# Altium PCB GSM.PcbDoc (part 1 of 2) (continued)
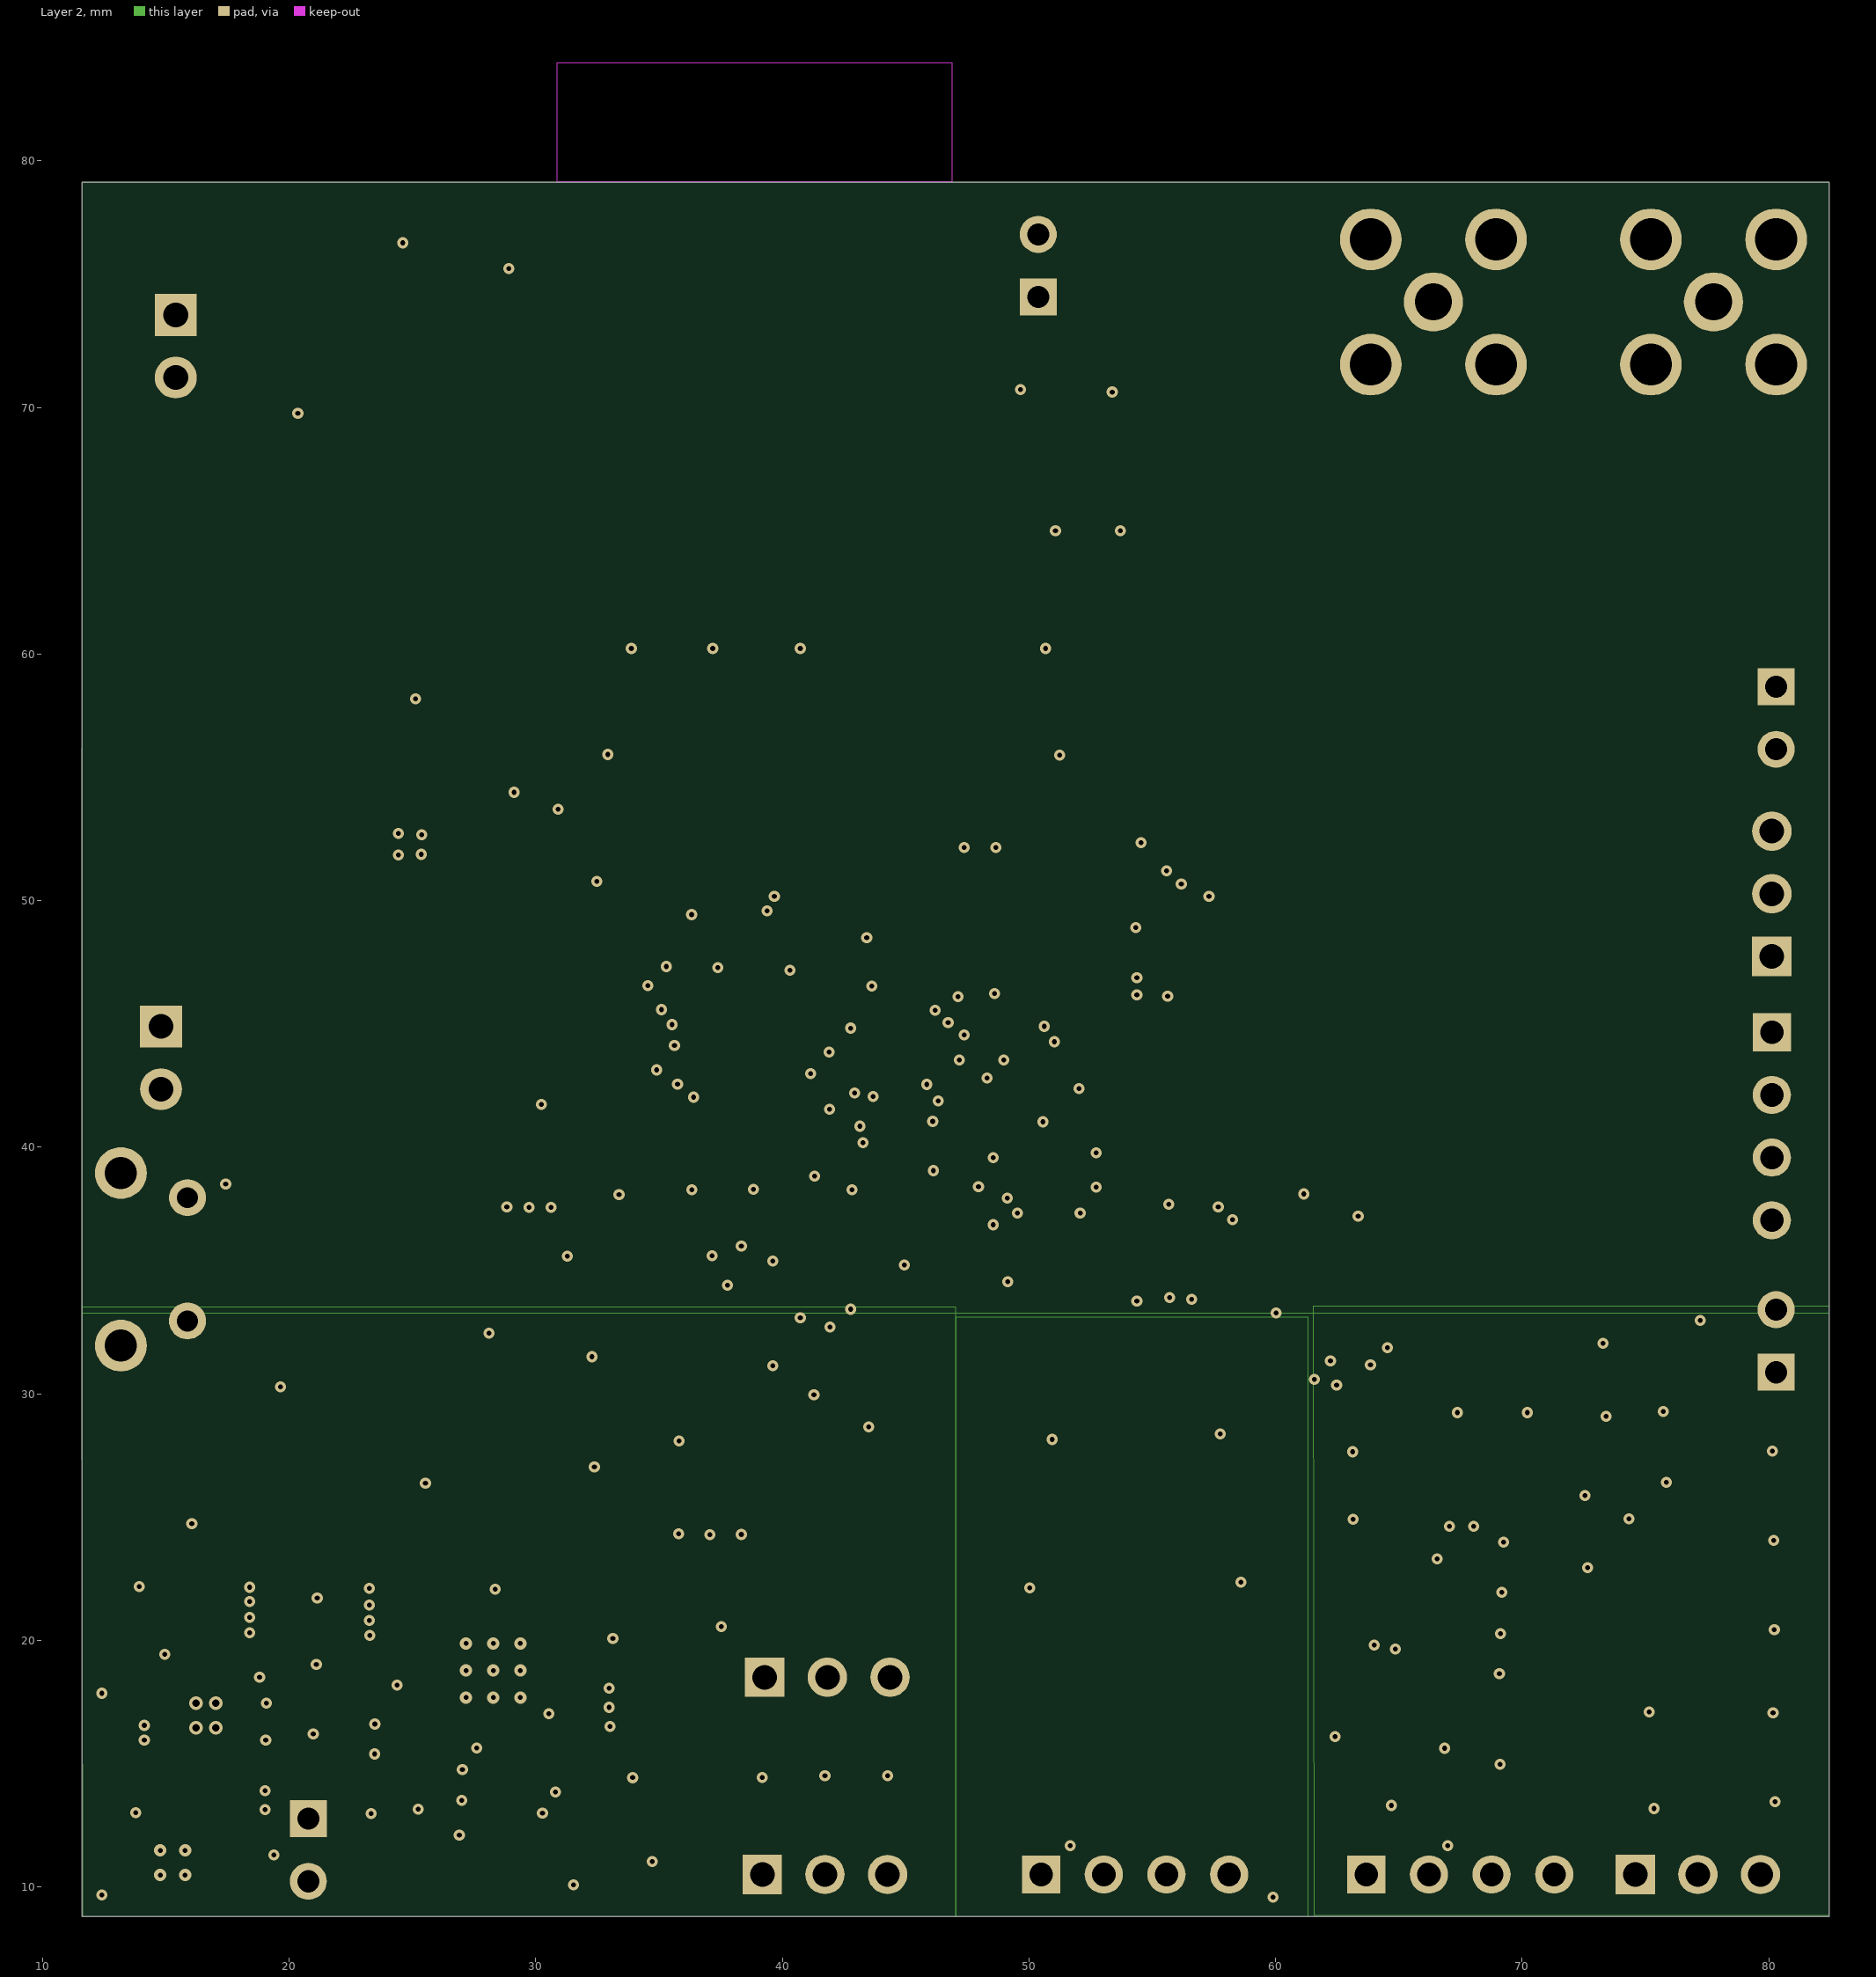
[diagram p3: Layer 2]
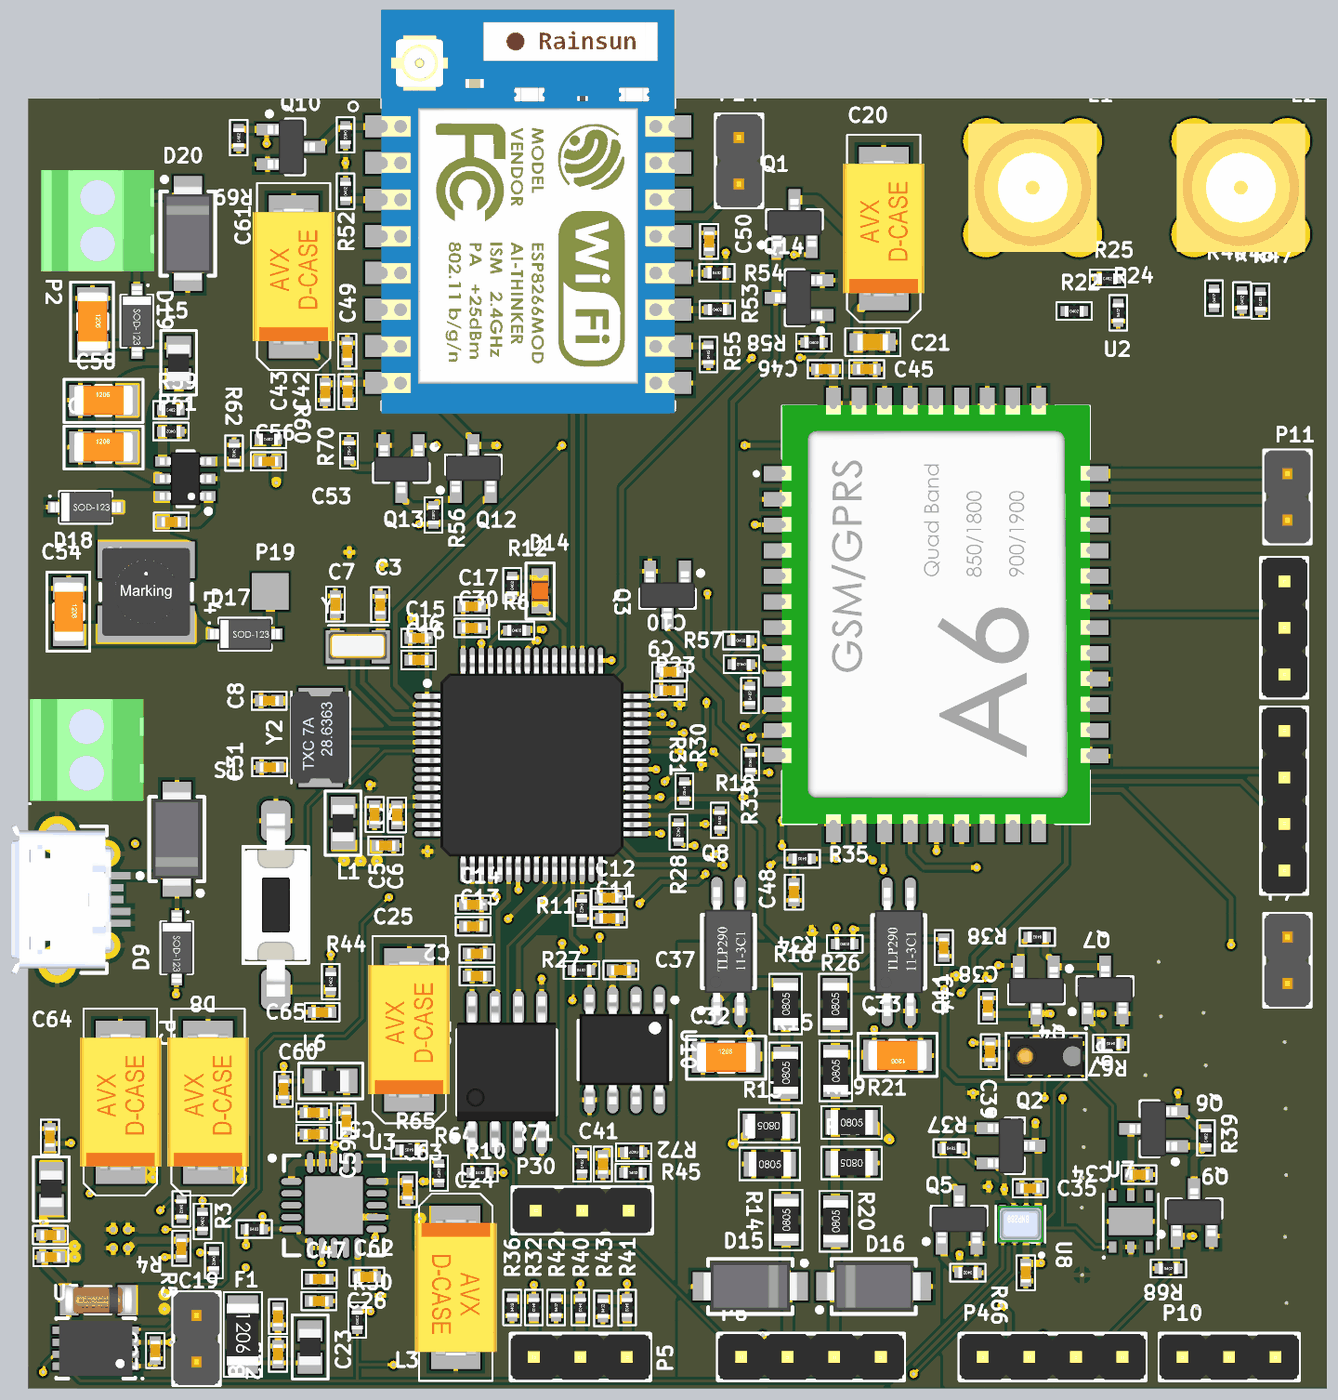
[diagram p5: 3D render of the assembled board from above, using the file's embedded part models]
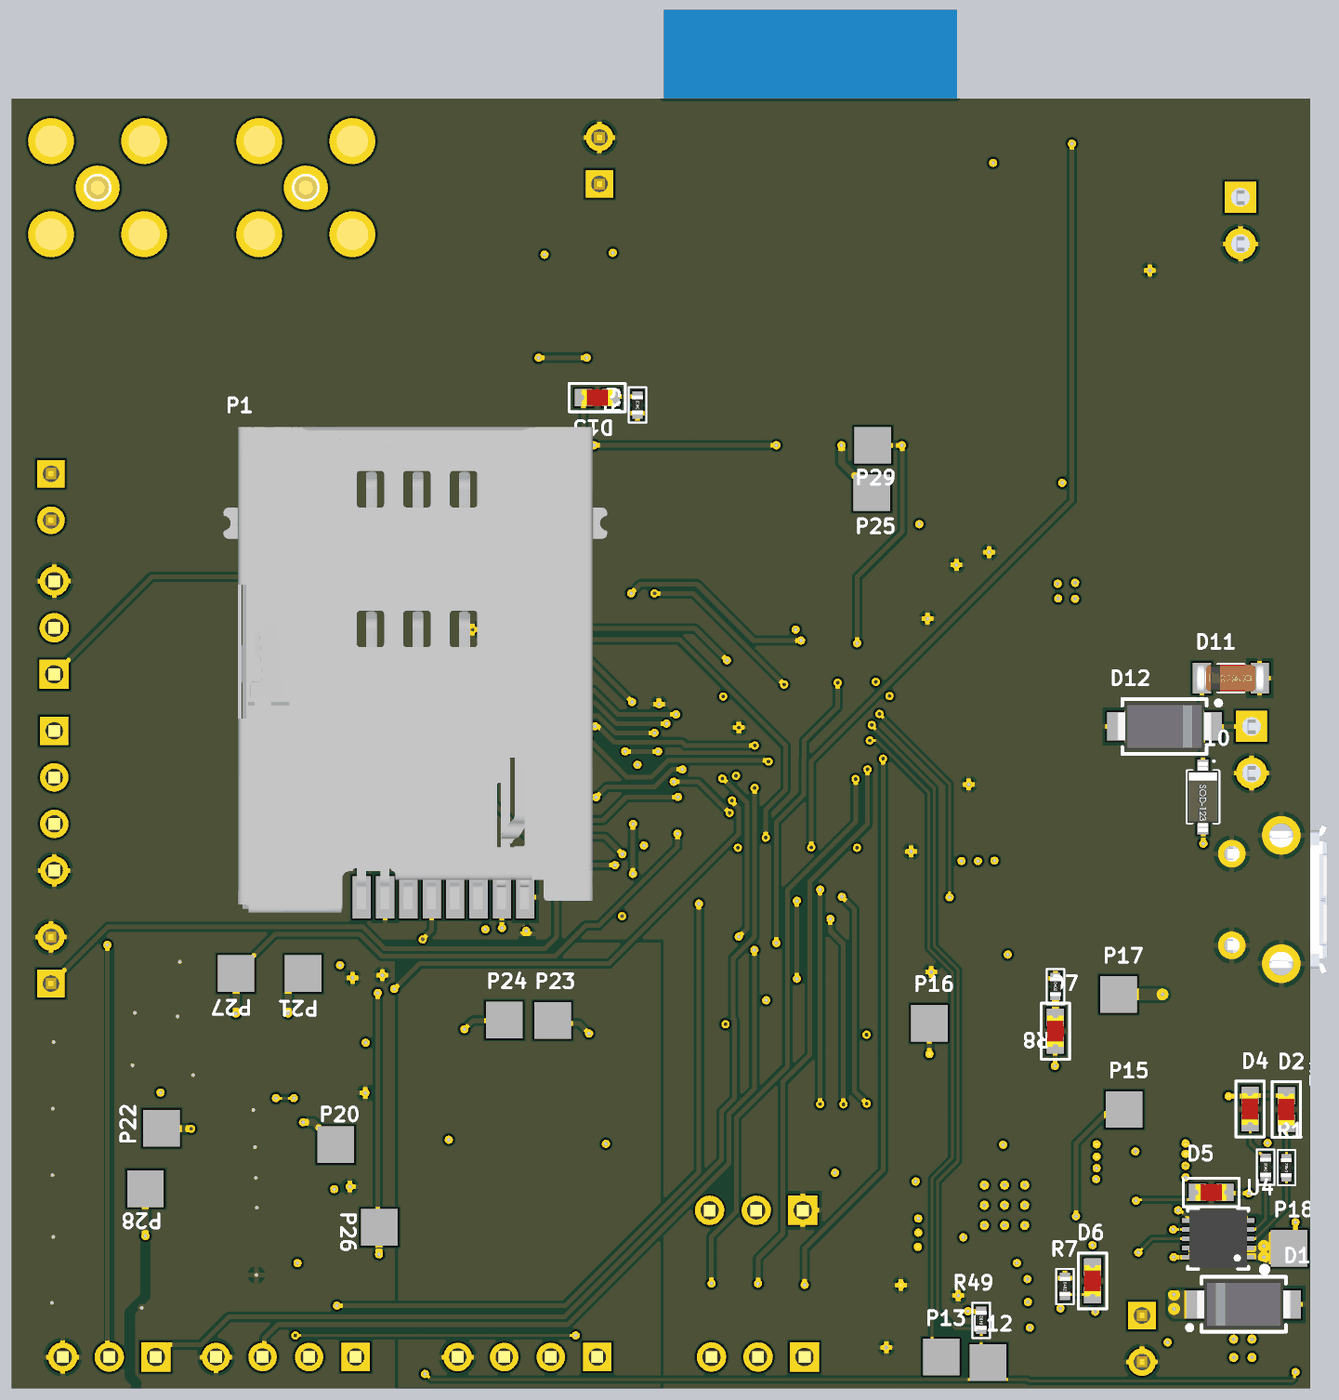
[diagram p6: 3D render of the assembled board from below, using the file's embedded part models]

## Layer stack, top to bottom
Top Solder: solder mask 0.0102, Solder Resist, Dk 3.5
Top Layer: signal copper 0.035
Dielectric 2: prepreg 0.2, PP-006, Dk 4.1
Layer 1: signal copper 0.017
Dielectric 1: core 1.065, Core-009, Dk 4.5
Layer 2: signal copper 0.017
Dielectric 3: prepreg 0.2, PP-006, Dk 4.1
Bottom Layer: signal copper 0.035
Bottom Solder: solder mask 0.0102, Solder Resist, Dk 3.5

## Board outline
11.6,8.8 82.45,8.8 82.45,79.125 11.6,79.125

## Design rules (kind name [scope] priority, off if disabled: settings)
Clearance "Stitching GND" [IsStitchingVia and InNet('GND') vs (IsVia and (Not IsStitchingVia)) Or IsPad] p1: gap=0.254 ignorepadtopadclearanceinfootprint=FALSE
Clearance [All] p2: gap=0.152 ignorepadtopadclearanceinfootprint=TRUE
DiffPairsRouting [All] p1: maxlimit=0.635 minlimit=0.254 mostfreqgap=0.254 toplayer_minwidth=0.152 toplayer_maxwidth=0.635 toplayer_prefwidth=0.254 midlayer1_minwidth=0.152 midlayer1_maxwidth=0.635 midlayer1_prefwidth=0.254 midlayer2_minwidth=0.152 midlayer2_maxwidth=0.635 midlayer2_prefwidth=0.254 bottomlayer_minwidth=0.152 bottomlayer_maxwidth=0.635 bottomlayer_prefwidth=0.254 maxuncoupledlength=12.7
PlaneConnect PlaneConnect_1 [InNet('VCC')] p2: planeconnectstyle=Direct reliefexpansion=0.508 reliefentries=4 reliefconductorwidth=0.254 reliefairgap=0.254
PolygonConnect [InNet('VCC') vs InNet('VCC')] p1: connectstyle=Direct reliefconductorwidth=0.254 reliefentries=4 polygonreliefangle="90 Angle" airgapwidth=0.254
PolygonConnect PolygonConnect_1 [All] p2: connectstyle=Relief reliefconductorwidth=0.254 reliefentries=4 polygonreliefangle="90 Angle" airgapwidth=0.254
RoutingVias [All] p1: holewidth=0.2 width=0.45 viastyle="Through Hole" minholewidth=0.2 minwidth=0.45 maxholewidth=1 maxwidth=1.27
ShortCircuit ShortCircuit_1 [All] p1: allowed=FALSE
SolderMaskExpansion [All] p1: expansion=0.102
Width [All] p1: maxlimit=0.635 minlimit=0.152 preferedwidth=0.152 minimp=50.000000 maximp=50.000000 favimp=50.000000
28 further rules are at their usual default settings.

## Classes and differential pairs
component class wifi: C42 C43 C49 C50 C61 P14 P25 P29 Q10 Q12 Q13 R51 R52 R53 R54 R55 R56 R69 R70 U11
component class GSM: C20 C21 C44 C45 C46 C48 D13 E1 E2 P1 P11 Q1 Q3 Q14 R9 R22 R23 R24 R25 R30 R33 R34 R35 R46 R47 R48 R57 R58 U2
component class sensors: C1 C2 C34 C35 C36 C37 C38 C39 P20 P22 P26 P27 P28 Q2 Q4 Q5 Q6 Q7 Q9 R10 R11 R37 R38 R39 R66 R67 R68 U1 U7 U8 U9 U10
component class mcu: C3 C4 C5 C6 C7 C8 C9 C10 C11 C12 C13 C14 C15 C16 C17 C30 C31 C32 C33 C40 C41 D14 D15 D16 L1 P4 P5 P6 P7 P8 P9 P10 P23 P24 P30 Q8 Q11 R12 R13 R14 R15 R16 R17 R18 R19 R20 R21 R26 R27 R28 R29 R31 R32 R36 R40 R41 R42 R43 R44 R45 R71 R72 S1 U6 Y1 Y2
component class power: BAT1 C18 C19 C22 C23 C24 C25 C26 C27 C28 C29 C47 C51 C52 C53 C54 C55 C56 C57 C58 C59 C60 C62 C63 C64 C65 D1 D2 D3 D4 D5 D6 D7 D8 D9 D10 D11 D12 D17 D18 D19 D20 F1 J1 L2 L3 L4 L5 L6 P2 P3 P12 P13 P15 P16 P17 P18 P19 R1 R2 R3 R4 R5 R6 R7 R8 R49 R50 R59 R60 R61 R62 R63 R64 R65 U3 U4 U5 U12
differential pair Y2: +Y2_P -Y2_N
differential pair Y1: +Y1_P -Y1_N

## Components (designator, comment, footprint, x,y, rotation, side; value= is the part's Value field where it differs from the comment)
BAT1 "Header 2" HDR1X2 20.775,12.765 r270 top
C1 "Cap 100nF" C0402 36.075,31.275 r180 top value=100nF
C2 "Cap 1uF" C0402 36.075,32.5 r180 top value=1uF
C3 "Cap 4.3pF" C0402 30.801,51.531 r90 top value=4.3pF
C4 "Cap 10uF" C0402 31.093,38.391 r180 top value=10uF
C5 "Cap 1uF" C0402 30.493,40.095 r90 top value=1uF
C6 "Cap 100nF" C0402 31.718,40.066 r270 top value=100nF
C7 "Cap 4.3pF" C0402 28.351,51.556 r90 top value=4.3pF
C8 "Cap 10pF" C0402 24.738,46.291 r180 top value=10pF
C9 "Cap 1uF" C0402 46.6,47.875 r180 top value=1uF
C10 "Cap 100nF" C0402 46.575,46.85 r0 top value=100nF
C11 "Cap 1uF" C0402 43.3,34.425 r180 top value=1uF
C12 "Cap 100nF" C0402 43.275,35.55 r0 top value=100nF
C13 "Cap 1uF" C0402 35.868,33.991 r0 top value=1uF
C14 "Cap 100nF" C0402 35.869,35.166 r180 top value=100nF
C15 "Cap 1uF" C0402 32.893,49.716 r0 top value=1uF
C16 "Cap 100nF" C0402 32.893,48.516 r180 top value=100nF
C17 "Cap 1uF" C0402 35.793,51.441 r180 top value=1uF
C18 "Cap 1uF" C0402 12.825,15.95 r0 top value=1uF
C19 "Cap 1uF" C0402 19.95,16.425 r270 top value=1uF
C20 "Tantalum 220uF" CAP-D 58.275,72.05 r270 top value=220uF
C21 "Cap 10uF" C0603 57.675,65.85 r180 top value=10uF
C22 "Cap 4.7uF" C0402 25.225,10.65 r270 top value=4.7uF
C23 "Cap 4.7uF" C0402 25.225,12.7 r90 top value=4.7uF
C24 "Tantalum 220uF" CAP-D 34.925,14.3 r90 top value=220uF
C25 "Tantalum 220uF" CAP-D 32.375,28.35 r270 top value=220uF
C26 "Cap 1uF" C0402 27.45,13.55 r180 top value=1uF
C27 "Cap 1uF" C0402 18.525,10.85 r90 top value=1uF
C28 "Cap 4.7uF" C0402 12.775,22.5 r270 top value=4.7uF
C29 "Cap 4.7uF" C0402 12.8,17.15 r0 top value=4.7uF
C30 "Cap 100nF" C0402 35.793,50.266 r0 top value=100nF
C31 "Cap 10pF" C0402 24.763,42.666 r180 top value=10pF
C32 "Cap 100nF/50V" C1206 49.675,26.85 r0 top value=100nF/50V
C33 "Cap 100nF/50V" C1206 59.025,26.95 r180 top value=100nF/50V
C34 "Cap 100nF" C0402 72.207,20.447 r180 top value=100nF
C35 "Cap 100nF" C0402 66.259,19.7 r0 top value=100nF
C36 "Cap 100nF" C0402 66.025,15.1 r90 top value=100nF
C37 "Cap 100nF" C0402 43.925,31.6 r180 top value=100nF
C38 "Cap 100nF" C0402 63.958,29.627 r270 top value=100nF
C39 "Cap 2.2uF" C0402 64.075,27.15 r90 top value=2.2uF
C40 "Cap 100nF" C0402 27.625,29.3 r0 top value=100nF
C41 "Cap 100nF" C0402 42.95,21.025 r90 top value=100nF
C42 "Cap 10uF" C0402 29.027,63.149 r90 top value=10uF
C43 "Cap 1uF" C0402 27.802,63.124 r90 top value=1uF
C44 "Cap 100nF" C0402 61.55,32.825 r90 top value=100nF
C45 "Cap 100nF" C0402 57.35,64.375 r180 top value=100nF
C46 "Cap 1uF" C0402 55.075,64.375 r0 top value=1uF
C47 "Cap 1uF" C0402 27.475,14.75 r180 top value=1uF
C48 "Cap 100nF" C0402 53.375,35.85 r90 top value=100nF
C49 "Cap 100nF" C0402 29.002,65.349 r270 top value=100nF
C50 "Cap 100nF" C0402 48.752,71.35 r270 top value=100nF
C51 "Cap 1uF" C0402 27.175,22.65 r0 top value=1uF
C52 "Cap 1uF" C0402 27.175,23.825 r0 top value=1uF
C53 "Cap 100nF" C0402 19.4,56.05 r180 top value=100nF
C54 "Cap 10uF/50V" C1206 13.8,51.15 r270 top value=10uF/50V
C55 "Cap 4.7uF/50V" C1206 15.7,60.125 r0 top value=4.7uF/50V
C56 "Cap 33pF" C0402 24.7,59.35 r0 top value=33pF
C57 "Cap 4.7uF/50V" C1206 15.1,66.975 r270 top value=4.7uF/50V
C58 "Cap 4.7uF/50V" C1206 15.7,62.675 r0 top value=4.7uF/50V
C59 "Cap 4.7uF" C0402 28.95,23.375 r90 top value=4.7uF
C60 "Cap 4.7uF" C0402 25.525,25.1 r90 top value=4.7uF
C61 "Tantalum 220uF" CAP-D 26.075,69.425 r270 top value=220uF
C62 "Cap 1uF" C0402 30.075,14.875 r180 top value=1uF
C63 "Cap 470pF" C0402 32.3,19.625 r90 top value=470pF
C64 "Tantalum 220uF" CAP-D 16.625,24.4 r270 top value=220uF
C65 "Tantalum 220uF" CAP-D 21.4,24.4 r270 top value=220uF
D1 "TVS Bidirectional" SMA 15.225,13.375 r0 bottom
D2 "LED" 0603LedRed 12.9,24 r270 bottom
D3 "Zener Diode" miniMELF 15.4,13.6 r0 top
D4 "LED" 0603LedRed 14.875,24.025 r270 bottom
D5 "LED" 0603LedRed 17,19.475 r0 bottom
D6 "LED" 0603LedRed 23.475,14.65 r270 bottom
D7 "LED" 0603LedRed 25.5,28.27 r90 bottom
D8 "STPS1L30U" SOD-123A 19.7,32.825 r270 top
D9 "TVS Bidirectional" SMA 19.7,38.75 r270 top
D10 "STPS1L30U" SOD-123A 17.45,41.05 r270 bottom
D11 "Zener Diode" miniMELF 15.925,47.525 r0 bottom
D12 "TVS Bidirectional" SMA 19.55,44.89 r180 bottom
D13 "LED" 0603LedRed 50.5,62.825 r180 bottom
D14 "LED" 0603LedRed 39.525,52.275 r90 top
D15 "TVS Bidirectional" SMA 50.993,14.35 r0 top
D16 "TVS Bidirectional" SMA 57.725,14.35 r180 top
D17 "D Schottky" SOD-123A 23.425,49.925 r0 top
D18 "STPS1L30U" SOD-123A 14.725,56.85 r0 top
D19 "STPS1L30U" SOD-123A 17.525,67 r270 top
D20 "TVS Bidirectional" SMA 20.3,71.775 r90 top
E1 "Antenna" "SMA connector" 66.4,74.275 r0 top
E2 "Antenna" "SMA connector" 77.76,74.275 r0 top
F1 "2A" R1206 23.3,11.725 r270 top
J1 "MicroUSB" MicroUSB 13.475,35.45 r270 top
L1 "120R" 0805FerriteBead 28.768,39.616 r90 top value=10mH
L2 "120R" 0805FerriteBead 12.85,19.675 r270 top value=10mH
L3 "120R" 0805FerriteBead 26.975,11.05 r90 top value=10mH
L4 "Inductor 18uH" WE-TPC_4828 18.025,52.225 r0 top value=18uH
L5 "120R" 0805FerriteBead 19.8,64.725 r270 top value=10mH
L6 "120R" 0805FerriteBead 28.1,25.55 r180 top value=10mH
P1 "SIM" "SIM TRAY" 63.95,34.325 r90 bottom
P2 "Header 2" HDR1x2_screw 15.4,73.75 r270 top
P3 "Header 2" HDR1x2_screw 14.8,44.89 r270 top
P4 "Header 4" HDR1X4 63.68,10.5 r0 top
P5 "Header 3" HDR1X3 39.185,10.5 r0 top
P6 "Header 4" HDR1X4 50.495,10.5 r0 top
P7 "Header 2" HDR1X2 80.3,30.867 r90 top
P8 "Header 4" HDR1X4 80.125,44.655 r270 top
P9 "Header 3" HDR1X3 80.125,47.735 r90 top
P10 "Header 3" HDR1X3 74.585,10.5 r0 top
P11 "Header 2" HDR1X2 80.3,58.675 r270 top
P12 "Plug" "pin smd" 29.175,10.2 r180 bottom
P13 "Plug" "pin smd" 31.725,10.5 r180 bottom
P14 "Header 2" HDR1X2 50.375,74.475 r90 top
P15 "Plug" "pin smd" 21.75,24 r180 bottom
P16 "Plug" "pin smd" 32.375,28.7 r180 bottom
P17 "Plug" "pin smd" 22.05,30.275 r180 bottom
P18 "Plug" "pin smd" 12.75,16.425 r180 bottom
P19 "Plug" "pin smd" 24.8,52.25 r270 top
P20 "Plug" "pin smd" 64.759,22.075 r180 bottom
P21 "Plug" "pin smd" 66.55,31.425 r0 bottom
P22 "Plug" "pin smd" 74.275,22.975 r90 bottom
P23 "Plug" "pin smd" 52.925,28.861 r270 bottom
P24 "Plug" "pin smd" 55.575,28.875 r270 bottom
P25 "Plug" "pin smd" 35.525,57.639 r270 bottom
P26 "Plug" "pin smd" 62.384,17.575 r270 bottom
P27 "Plug" "pin smd" 70.208,31.425 r0 bottom
P28 "Plug" "pin smd" 75.15,19.675 r90 bottom
P29 "Plug" "pin smd" 35.475,60.224 r270 bottom
P30 "Header 3" HDR1X3 39.285,18.5 r0 top
Q1 "AO3401A" SOT23 53.4,72.35 r90 top
Q2 "AO3401A" SOT23 65.234,22.025 r0 top
Q3 "AO3400A" SOT23 46.475,52.05 r270 top
Q4 "AO3401A" SOT23 66.6,30.482 r270 top
Q5 "AO3400A" SOT23 62.384,18 r90 top
Q6 "AO3401A" SOT23 72.982,22.947 r180 top
Q7 "AO3400A" SOT23 70.35,30.532 r90 top
Q8 "TLP291" SO4 49.8,32.625 r90 top
Q9 "AO3400A" SOT23 75.207,18.397 r90 top
Q10 "AO3400A" SOT23 25.95,76.5 r0 top
Q11 "TLP291" SO4 59.09,32.6 r90 top
Q12 "AO3401A" SOT23 35.877,58.974 r90 top
Q13 "AO3400A" SOT23 31.952,58.925 r270 top
Q14 "AO3400A" SOT23 53.625,68.275 r180 top
R1 "Res_470R" R0402 12.9,20.825 r90 bottom value=470R
R2 "Res_470R" R0402 14.025,20.85 r90 bottom value=470R
R3 "Res_10K" R0402 21.725,15.75 r270 top value=10K
R4 "Res_470R" R0402 21.1,17.9 r90 top value=470R
R5 "Res_3K3" R0402 19.95,18.575 r270 top value=3K3
R6 "Res_10K" R0402 38.25,50.125 r0 top value=10K
R7 "Res_220R" R0402 24.975,14.35 r270 bottom value=220R
R8 "Res_220R" R0402 25.5,30.7 r270 bottom value=220R
R9 "Res_220R" R0402 48.3,62.425 r90 bottom value=220R
R10 "Res_4k7" R0402 36.245,20.55 r0 top value=4k7
R11 "Res_4k7" R0402 41.775,31.6 r0 top value=4k7
R12 "Res_220R" R0402 38,52.575 r90 top value=220R
R13 "Res_4k7" R0805 52,23.1 r180 top value=4k7
R14 "Res_100R" R0805 52.95,17.975 r90 top value=100R
R15 "Res_100R" R0805 52.925,26 r90 top value=100R
R16 "Res_1K2" R0805 52.925,29.75 r90 top value=1K2
R17 "Res_4k7" R0805 52.061,21.025 r0 top value=4k7
R18 "Res_4k7" R0402 49.325,39.775 r90 top value=4k7
R19 "Res_4k7" R0805 56.525,23.3 r0 top value=4k7
R20 "Res_100R" R0805 55.65,17.9 r90 top value=100R
R21 "Res_100R" R0805 55.65,26.1 r90 top value=100R